# Altium PCB SPG300 Rev05.PcbDoc (part 3 of 8)
Units mm, origin at the board's own origin, x right, y up, seen from the top; angles counter-clockwise.
Board outline 176 x 152 mm, 6 copper layers (Top Layer, GND, Layer 1, Layer 2, PWR, Bottom Layer), stack 1.924 mm thick; 738 components, 393 nets, 2440 pads, 974 vias.
Unrouted connection lines stored in the file: 395.
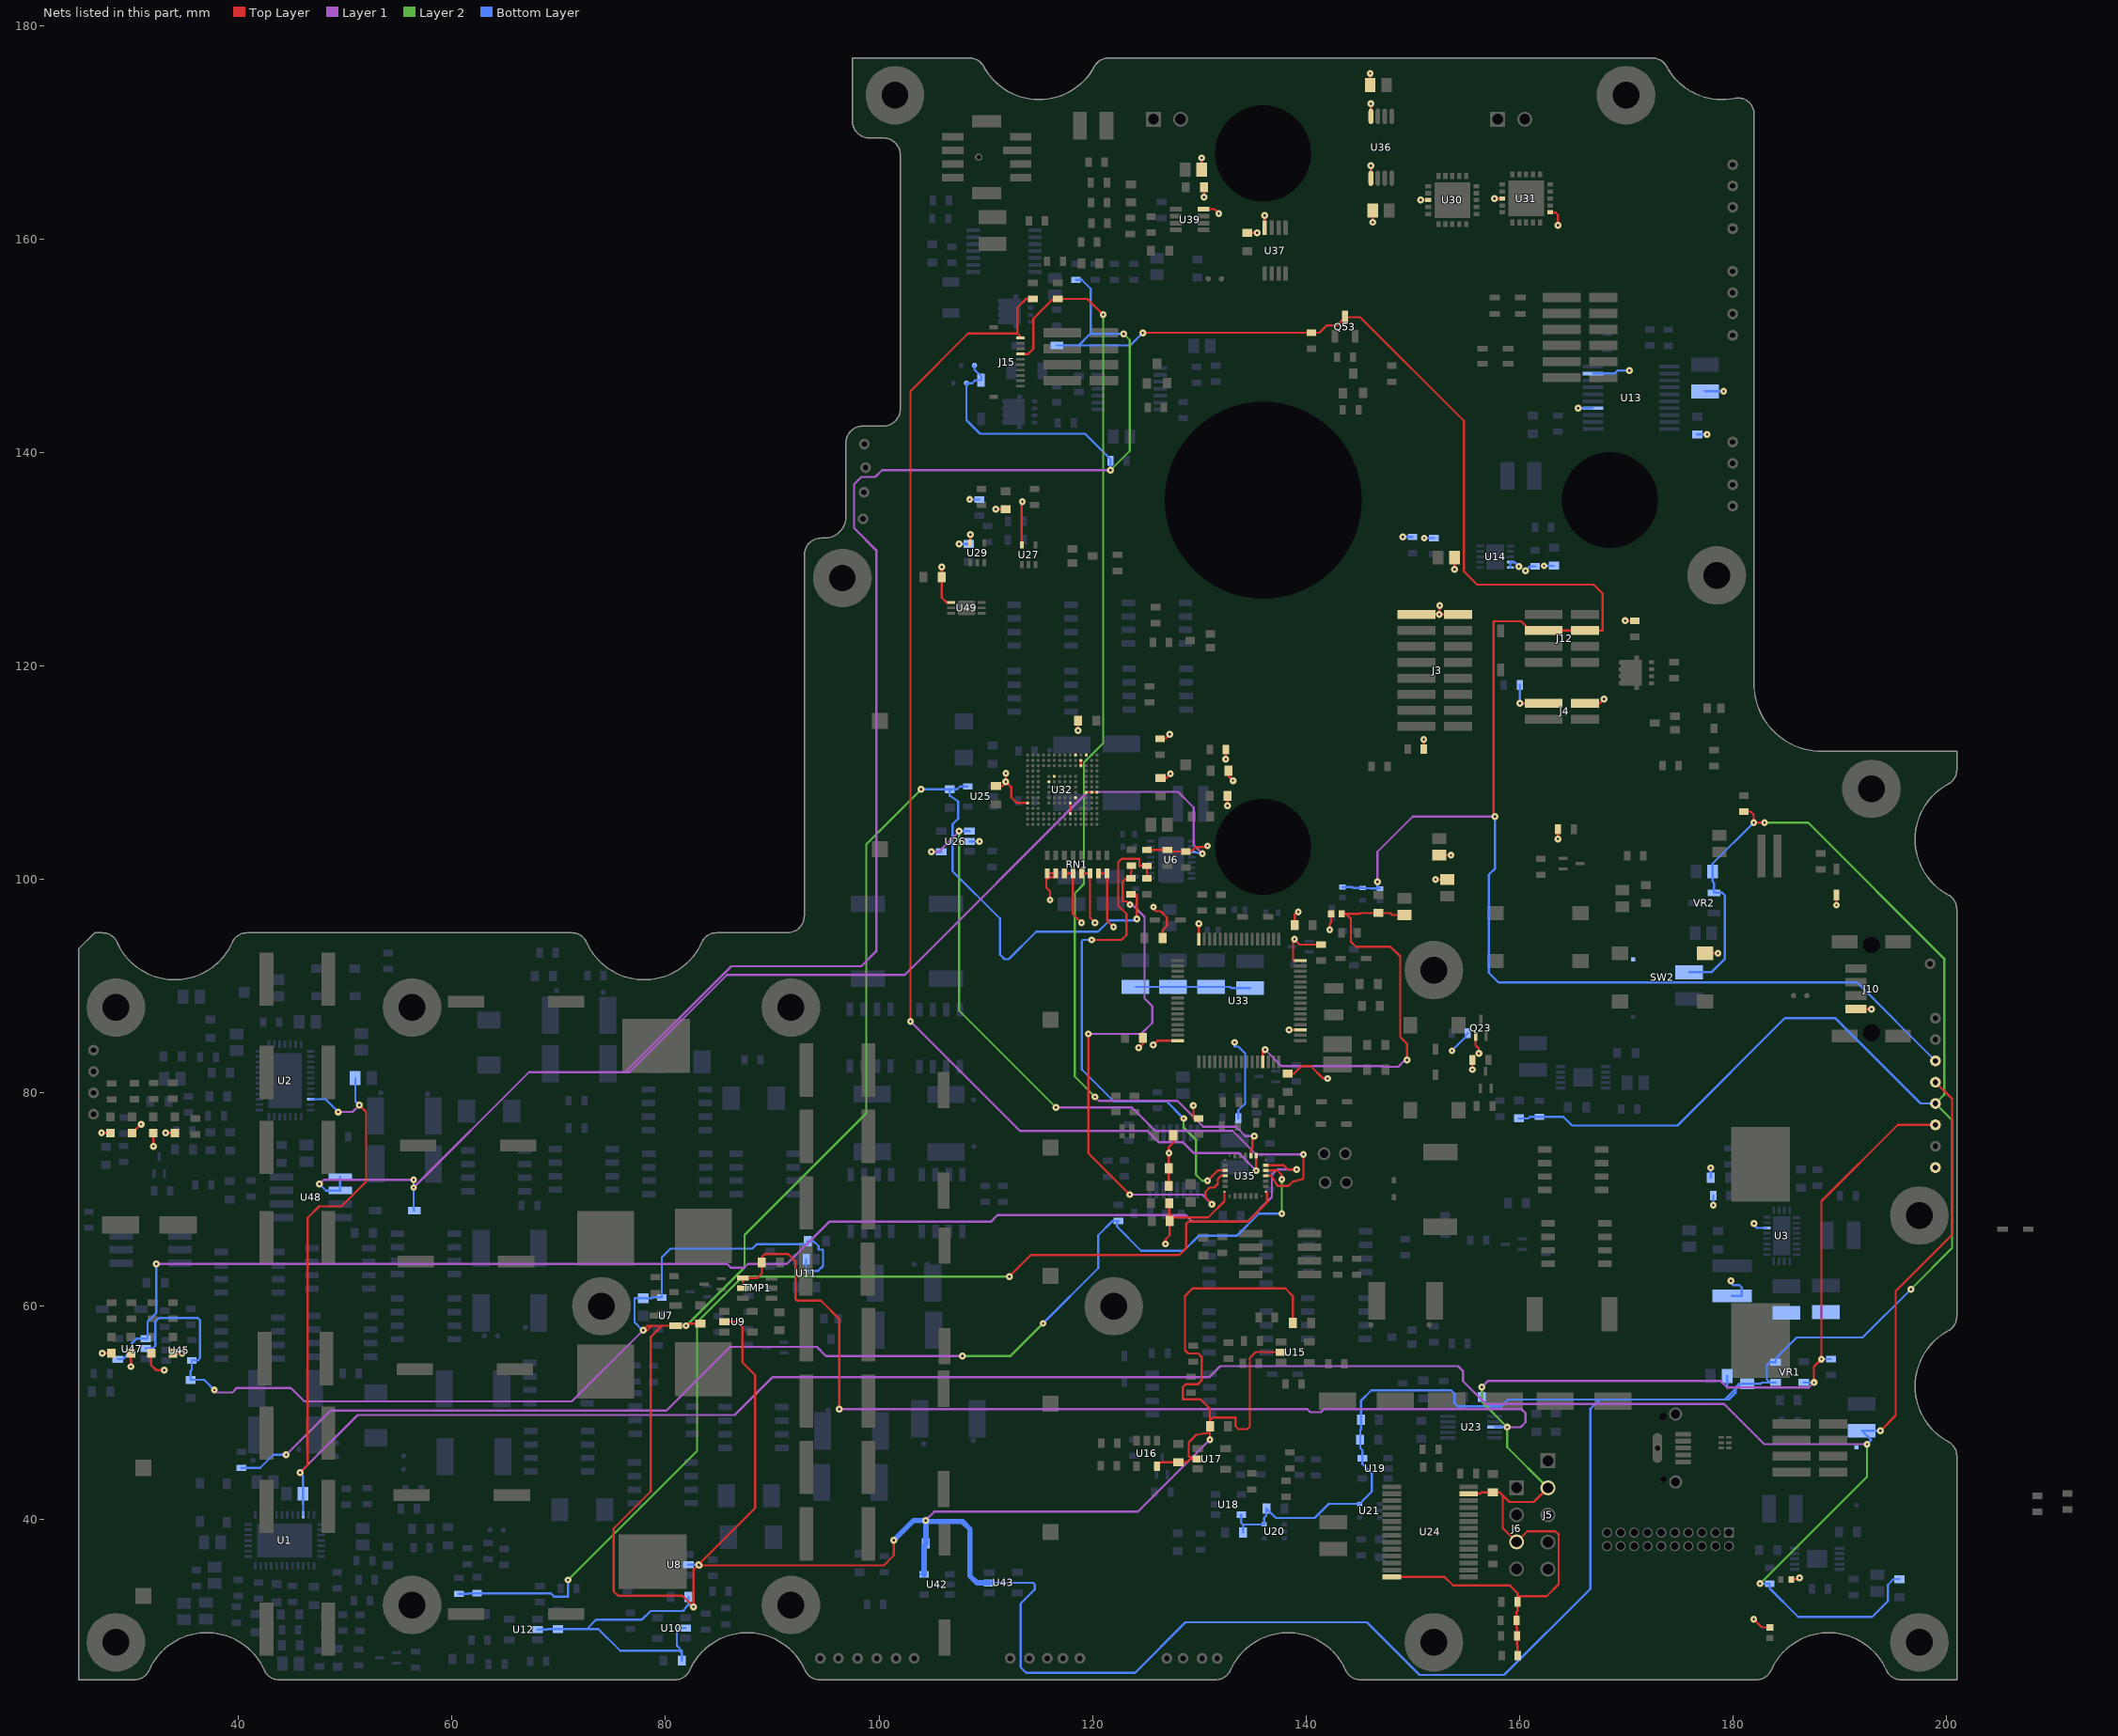
[diagram p7: the nets of this part, all layers, seen from the top]

## Footprints (in the part's own frame and the unit in brackets; to place one, negate y for a bottom-side part, rotate by r counter-clockwise, add the part's x,y. Pads: shape width x height; smd on the part's side, far side on the other; paste and mask are expansions set on the pad) (continued)
"Test Point 1mm"#13 [mil]
  round 40 hole 20 mask+1.97: 1(-614.17,799.19)
"Test Point 1mm"#14 [mil]
  round 40 hole 20 mask+1.97: 1(-3.92,7.85)
"Test Point 1mm"#15 [mil]
  round 40 hole 20 mask+1.97: 1(-62.99,0)
"Test Point 1mm"#16 [mil]
  round 40 hole 20 mask+1.97: 1(-157.47,0)
"Test Point 1mm"#17 [mil]
  round 40 hole 20 mask+1.97: 1(-11.8,0)
"Test Point 1mm"#18 [mil]
  round 40 hole 20 mask+1.97: 1(10.04,-10.29)
"Test Point 1mm"#19 [mil]
  round 40 hole 20 mask+1.97: 1(-456.69,657.46)
"Test Point 1mm"#20 [mil]
  round 40 hole 20 mask+1.97: 1(0,-6.45)
"Test Point 1mm"#21 [mil]
  round 40 hole 20 mask+1.97: 1(-27.55,15.71)
"Test Point 1mm"#22 [mil]
  round 40 hole 20 mask+1.97: 1(27.56,0)
"Test Point 1mm"#23 [mil]
  round 40 hole 20 mask+1.97: 1(41.33,-5.15)
"Test Point 1mm"#24 [mil]
  round 40 hole 20 mask+1.97: 1(41.39,-5.15)
TFSSOP-10 [mm] "TI VSSOP10"
  rect 1.45x0.3 smd mask+0.05: 1(-2.2,1) 2(-2.2,0.5) 3(-2.2,0) 4(-2.2,-0.5) 5(-2.2,-1) 6(2.2,-1) 7(2.2,-0.5) 8(2.2,0) 9(2.2,0.5) 10(2.2,1)
  silkscreen extent -1.3,-1.6 1.3,1.7, body extent -1.5,-1.5 1.5,1.5, height 1.1
TSSOP-8 [mm] "TSSOP-8  3..7 X 3.8 X 1.1 e=0.65"
  oval 1.45x0.45 smd: 1(-2.9,0.975) 2(-2.9,0.325) 3(-2.9,-0.325) 4(-2.9,-0.975) 5(2.9,-0.975) 6(2.9,-0.325) 7(2.9,0.325) 8(2.9,0.975)
  silkscreen extent -3.2,-1.5 1.8,2, body extent -1.85,-1.5 1.85,1.5, height 1.1
TSSOP-14 [mm] "14 Pin TSSOP 0.65mm Pitch height = 1.2mm"
  rect 1.26x0.36 smd: 1(-2.9,1.95) 2(-2.9,1.3) 3(-2.9,0.65) 4(-2.9,0) 5(-2.9,-0.65) 6(-2.9,-1.3) 7(-2.9,-1.95) 8(2.9,-1.95) 9(2.9,-1.3) 10(2.9,-0.65) 11(2.9,0) 12(2.9,0.65) 13(2.9,1.3) 14(2.9,1.95)
  silkscreen extent -2.15,-2.5 1.95,2.82, body extent -2.25,-2.5 2.25,2.5, height 1.42
"UFQFPN28 - ST Micro" [mm] "UFQFPN28 Body 5x5mm (max), Pitch 0.5mm, S0T Micro Package"
  rect 0.2x0.2 smd mask+0.05: 1(-1.9,1.5) 7(-1.975,-1.5) 14(1.5,-1.9) 15(1.9,-1.5) 21(1.9,1.5) 22(1.5,1.9) 28(-1.5,1.9)
  rect 0.5x0.3 smd mask+0.05: 2(-1.9,1) 3(-1.9,0.5) 4(-1.9,0) 5(-1.9,-0.5) 6(-1.9,-1) 16(1.9,-1) 17(1.9,-0.5) 18(1.9,0) 19(1.9,0.5) 20(1.9,1)
  rect 0.2x0.3 smd mask+0: 8(-1.5,-1.925)
  rect 0.3x0.5 smd mask+0.05: 9(-1,-1.9) 10(-0.5,-1.9) 11(0,-1.9) 12(0.5,-1.9) 13(1,-1.9) 23(1,1.9) 24(0.5,1.9) 25(0,1.9) 26(-0.5,1.9) 27(-1,1.9)
  Top Layer region: -1.675,2.15 -1.675,1.775 -1.55,1.65 -1.375,1.65 -1.375,2.15
  Top Layer region: 1.35,2.15 1.35,1.65 1.55,1.65 1.65,1.75 1.65,2.15
  Top Layer region: 2.15,1.35 1.65,1.35 1.65,1.55 1.75,1.65 2.15,1.65
  Top Layer region: 2.15,-1.65 2.15,-1.35 1.65,-1.35 1.65,-1.55 1.75,-1.65
  Top Layer region: 1.35,-2.15 1.65,-2.15 1.65,-1.75 1.55,-1.65 1.35,-1.65
  Top Layer region: -2.15,1.65 -2.15,1.35 -1.65,1.35 -1.65,1.525 -1.775,1.65
  Top Layer region: -2.15,-1.35 -1.65,-1.35 -1.65,-1.55 -1.75,-1.65 -2.15,-1.65
  Top Layer region: -1.35,-1.65 -1.35,-2.15 -1.65,-2.15 -1.65,-1.75 -1.55,-1.65
  silkscreen extent -2.62,-2.22 2.25,2.47, body extent -2,-2 2,2, height 0.6
"uMAX 8" [mm] "MAX uMax 8 3.0 x 3.0 Max 90-0092 Pitch 0.65 Height 1.1mm"
  rect 1.35x0.4 smd mask+0.065: 1(-2.15,0.975) 2(-2.15,0.325) 3(-2.15,-0.325) 4(-2.15,-0.975) 5(2.15,-0.975) 6(2.15,-0.325) 7(2.15,0.325) 8(2.15,0.975)
  silkscreen extent -2.42,-1.5 1.3,2.32, body extent -1.5,-1.5 1.5,1.5, height 1.1
WE-2212 [mm]
  rect 5.5x7 smd: 1(0,8.25) 2(0,-8.25)
  silkscreen extent -11.5,-12.5 11.5,12.5, body extent -11,-11.25 11,11.25, height 11.8

## Part data
1 2 3 4 5 BBFBK1 BBIN1 BBOUT1 BOXFAN1 BSCL1 BSCL2 BSDA1 BSDA2 CARTSW CLK1 DS1 FBIN1 FBOUT1 FCENB1 FCSHORT1 HTR_PWM1 HTR_PWM2 HTR_WDOG1 I2 I3 ICHRGLIM1 INLET_VALVE1 MIADJ1 OUTLET_VALVE1 PMON_P1 PWM1 PWM2 REF_1 RXD1 SIADJ1 SMB_INT_SCL1 SMB_INT_SDA1 STKFAN1 TEMPLIM1 TXD1 VB1 VB2 VBAT1 VBAT2 VBAT3 VTEMP1: library part TEST_POINT
BAT1: "Generic Single Cell Battery", Supplier Part Number 1=SY103-ND, Note=Hand-Solder, Supplier 1=Digi-Key
C1 C2 C3 C4 C8 C9 C10 C11 C37 C38 C39 C40 C41 C42 C43 C44: Package=2220, Supplier Part Number 1=445-7932-1-ND, Tolerance=10%, Voltage=50V, Supplier 1=Digi-Key, Type=X7R
C5 C6 C7 C12 C13 C32 C33 C34 C35 C36: "Aluminum Electroytic 10 x 10 x 10mm", Supplier Part Number 1=598-107SML050M, Tolerance=20%, Voltage=50V, Supplier 1=Mouser
C14 C16: "SMD 0805 (2012 Metric)", Package=0805, Supplier Part Number 1=587-1287-1-ND, Voltage=50V, Supplier 1=Digi-Key
C15 C17 C45 C48 C141 C186 C193: "SMD 0603 (1608 Metric)", Package=0603, Supplier Part Number 1=1608-1359-1-ND, Tolerance=10%, Voltage=50V, Supplier 1=Digi-Key
C18 C21 C22 C49 C52 C53 C66 C69 C77: "SMD 0603 (1608 Metric)", Package=0603, Supplier Part Number 1=399-17562-1-ND, Tolerance=10%, Voltage=50V, Supplier 1=Digi-Key
C19 C50 C63 C64 C76 C101 C102 C109 C113 C115 C117 C118 C119 C120 C121 C122 C123 C124 C125 C126 C131 C136 C137 C139 C140 C142 C143 C146 C149 C150 C151 C152 C153 C154 C155 C156 C157 C158 C159 C160 C161 C162 C168 C172 C173 C174 C175 C185 C189 C191: "SMD 0603 (1608 Metric)", Package=0603, Supplier Part Number 1=1276-1000-1-ND, Supplier 1=Digi-Key
C20 C51: "SMD 0805 (2012 Metric(", Package=0805, Supplier Part Number 1=1276-6470-1-ND, Voltage=50V, Supplier 1=Digi-Key
C23 C24 C25 C27 C54 C55 C56 C57 C99: "SMD 0805 (2012 Metric(", Package=0805, Supplier Part Number 1=587-2394-1-ND, Tolerance=10%, Voltage=16V, Supplier 1=Digi-Key
C26 C28 C58 C59 C67 C127 C181 C190 C192: "SMD 0603 (1608 Metric)", Package=0603, Supplier Part Number 1=1276-1921-1-ND, Voltage=50V, Supplier 1=Digi-Key
C29 C60 C72 C79 C80 C83 C84 C85 C110 C112 C144 C145 C147 C148 C163 C169 C177 C178 C182 C183 C188: "SMD 0805 (2012 Metric(", Package=0805, Supplier Part Number 1=490-8043-1-ND, Tolerance=10%, Voltage=16V, Supplier 1=Digi-Key
C30 C61: "SMD 0603 (1608 Metric)", Package=0603, Supplier Part Number 1=1276-1277-1-ND, Voltage=50V, Supplier 1=Digi-Key
C31 C62: "SMD 0603 (1608 Metric)", Package=0603, Supplier Part Number 1=1276-1145-1-ND, Supplier 1=Digi-Key
C46 C47: "SMD 0805 (2012 Metric(", Package=0805, Supplier Part Number 1=587-1287-1-ND, Voltage=50V, Supplier 1=Digi-Key
C65 C73 C81 C96 C97: "CAP CER 4.7UF 50V X7R 1210", Manufaturer 1=Murata, Package=1210, Manufacturere 1 Part Number=GCM32ER71H475KA55L, Valute=4.7UF, WVDC=50V
C68 C70 C74 C78 C114 C116: "CAP CER 22UF 16V X7R 1210", Manufacturere 1=Murata, Package=1210, Manufacturere 1 Part Number=GCM32ER71C226ME19K
C71: "CAP CER 1UF 16V X7R 0805", Manufacturer1=Murata, Package=0805, Manufacturer 1 Part Number=GCM219R71C105KA37D, WVDC=16V
C75 C82 C100 C103 C104 C105 C106 C107 C195: "SMD 0603 (1608 Metric)", Package=0603
C86 C132 C133 C134 C135 C179 C184: "SMD 0603 (1608 Metric)", Package=0603, Supplier Part Number 1=478-7926-1-ND, Voltage=50V, Supplier 1=Digi-Key
C87 C88 C89 C90 C91 C98: "SMD 0402 (1005 Metric)", Package=0402
C92 C93 C94 C95: "CAP CER 10UF 16V X7R 1210", Package=1210, Manafacturer 1="Taiyo Yuden", Manufacturer 1 Part Number=EMK325B7106MNHTR, WVDC=16VDC
C108: "SMD 0603 (1608 Metric)", Package=0603, Supplier Part Number 1=587-3247-1-ND, Voltage=50V, Supplier 1=Digi-Key
C111: "SMD 0603 (1608 Metric)", Package=0603, Supplier Part Number 1=P249KDBCT-ND, Note=DNI, Supplier 1=Digi-Key
C128 C129 C130 C194: "Aluminum Electrolytic Case D8 - 6.3 x 7.7", Supplier Part Number 1=667-EEE-FTH101XAP, Tolerance=20%, Voltage=50V, Supplier 1=Mouser
C138 C176 C180: "SMD 1210 (3225 Metric)", Package=1210, Supplier Part Number 1=963-EMK325B7106MNHTR, Tolerance=20%, Voltage=16V, Supplier 1=Mouser
C164 C165: "SMD 0603 (1608 Metric)", Package=0603, Supplier Part Number 1=478-10287-1-ND, Supplier 1=Digi-Key
C166 C167: "SMD 0603 (1608 Metric)", Package=0603, Supplier Part Number 1=478-6204-1-ND, Voltage=50V, Supplier 1=Digi-Key
C170 C171: "SMD 0805 (2012 Metric(", Package=0805, Supplier Part Number 1=587-4320-1-ND, Voltage=16V, Supplier 1=Digi-Key
C187: "CAP CER 47UF 6.3V X7R 1210", Manufacurer 1=Murata, Package=1210, Manufacturer 1 Part Number=GC32ER70J476KE01L, WVDC=6.3VDC
D1 D2 D3 D4 D7 D8 D9 D10: "Diode DO214AA (SMB)", Case=SMB, Supplier Part Number 1=SS24FSCT-ND, Supplier 1=Digi-Key
D5 D6 D11 D12 D32 D33: "SYM-Schottky Diode", Case=SOD-123H, Supplier Part Number 1=FSV360FPCT-ND, Supplier 1=Digi-Key
D13 D14 D16: "SYM - Diode, Schottky Dual Common Cathode", Case-EIA=SOT-323, Supplier Part Number 1=BAT54CWT1GOSCT-ND, Supplier 1=Digi-Key, Technology=SMT
D15 D18: "SYM-Zener Diode", Supplier Part Number 1=1727-5145-1-ND, Supplier 1=Digi-Key
D17: "SYM-Schottky Diode", Supplier Part Number 1=1N4148XTPMSCT-ND, Supplier 1=Digi-Key
D19 D20 D31: "SYM-Schottky Diode", Case=SMC, Supplier Part Number 1=B540CQ-13-FDITR-ND, Supplier 1=Digi-Key
D21: "SYM-Schottky Diode", Case="DO214AC SMA", Supplier Part Number 1=641-1015-1-ND, Supplier 1=Digi-Key
D22: "SYM-Schottky Diode", Supplier Part Number 1=BAT54WS-FDICT-ND, Supplier 1=Digi-Key
D23 D24 D25 D26 D27 D34 D35 D36 D37 D38 D39: "SYM-Zener Diode", Package=SOD-323, Supplier Part Number 1=UCLAMP3301DCT-ND, Supplier 1=Digi-Key
D28 D29 D30: "SYM-Schottky Diode", Case=SOD-123, Supplier Part Number 1=MBR130T3GOSCT-ND, Supplier 1=Digi-Key
FB1 FB2: Supplier Part Number 1=587-1841-1-ND, Supplier 1=Digi-Key
FC+1 FC-1 HTR+1 HTR-1 VB3 VB4 VB-1 VOUT+1 VOUT-1: "Wurth Power Connector 7466003", Manuf=Wurth, Part No=7466003, Supplier Part Number 1=732-5240-ND, Supplier 1=Digi-Key
I1: "Inductor", Manuf=MDWK040t4R7MM, Supplier Part Number 1=587-4451-1-ND, Rule=Undefined, Supplier 1=Digi-Key, Technology=SMT
J1 J14: "Conn 2x1 Pos", Supplier Part Number 1=SAM9159-ND, Supplier 1=Digi-Key
J2: "Molex Pico-Spox 6 Pos 1.5mm", Manuf=Molex
J3: "Molex Pico-Spox Vert 8 Pos 1.5mm", Manuf=Molex
J4: "Molex Pico-Spox 2 Pos 1.5mm", Manuf=Molex, Part No=0874370273, Parameter 1=Digi-Key, Parameter 2=WM7135CT-ND
J5: "Conn 5 x 1", Manufacturer=Samtec, Manufacturer Part Number=HTSW-105-07-L-S, Supplier Part Number 1=SAM11370-ND, Supplier 1=Digi-Key
J6: "Conn 4x1 Pos", Manufacturer=Samtec, Manufacturer Part Number=TSW-104-07-F-S, Supplier 1 Part Number=SAM8997-ND, Supplier 1=Digikey
J7 J8: "Conn 2x1 Pos", Manufacturer 1="TE Connectivity", Manufacturer 1 Part Number=1546215-2, Supplier Part Number 1=A121350-ND, Note="thermocouple socket", Supplier 1=Digi-Key
J9: "USB Micro B Verticle SMD", Manif=GCT
J10: "Conn 4x1 Pos", Supplier Part Number 1=305-284697, Name=ERNI, Supplier 1=Mouser
J11: "CnC Tech 20 Pin Verticle 1.27mm Pitch TH Hdr"
J12 J13 J16: "Molex Pico-Spox 4 Pos 1.5mm", Manuf=Molex
J15: "Conn 10 Pos", Supplier Part Number 1=OR717CT-ND, Name=Omron, Supplier 1=Digi-Key
L1 L2: "Wurth 15UH 30A Inductor", Manuf=Wurth, Part No.=7443641500
L3 L4: "INDUCTOR COILCRAFT 6132", Package="MSS 6132", Supplier Part Number 1=994-MSS6132T-223MLC, Supplier 1=Mouser
L5: "Coilcraft XEL4030", Package=XEL4030, Supplier Part Number 1=994-XEL4030-682MEB, Supplier 1=Mouser
L6: "Wurth 74435584700 47uH 5A", Manuf=Wurth, Part No.=74435584700
LED1 LED2 LED3 LED4 LED5 LED6 LED7 LED8: "Generic Single LED", Supplier Part Number 1=511-1580-1-ND, Supplier 1=Digi-Key
LED9: "Generic Dual LED", Supplier Part Number 1=846-1185-1-ND, Supplier 1=Digi-Key
NT1 NT2 NT3 NT4 NT5 NT6 NT7 NT8 NT9 NT10 NT11 NT12 NT13 NT14 NT15 NT16 NT17 NT18 NT19 NT20 NT21 NT22 NT23 NT24 NT25 NT26 NT27: library part NET_TIE, "Tie 2 nets together - 0.2032mm", Rule="Component Clearance Constraint [Horizontal Clearance = 0mm    Vertical Clearance = 0mm]"
Q1 Q2 Q3 Q4 Q5 Q6 Q7 Q8 Q9 Q10 Q28 Q29: library part MOSFET-N8, "SYM - Mosfet N-Ch 8 Lead", Current=46A, Supplier Part Number 1=NTMFS5H400NLT1GOSCT-ND, Voltage=40V, Supplier 1=Digi-Key
Q11 Q15 Q16 Q21 Q22 Q23 Q25 Q26 Q46: library part MOSFET-N3, "SYM - Mosfet N-Ch 3 Lead", Package=SOT-523, Supplier Part Number 1=2N7002T-FDICT-ND, Voltage=60V, Supplier 1=Digi-Key
Q12: "SYM-Generic PNP Transistor", Current=0.2A, Supplier Part Number 1=MMBT3906T-FDICT-ND, Voltage=40V, Name=MMBT3906, Supplier 1=Digi-Key
Q13 Q14: "SYM-Generic NPN Transistor", Supplier Part Number 1=MMBT3904T-FDICT-ND, Supplier 1=Digi-Key
Q17 Q18 Q19 Q20 Q24 Q30 Q31 Q32 Q33 Q42 Q43 Q44 Q45: library part MOSFET-P8, "SYM - Mosfet P-Ch 8 Lead", Supplier Part Number 1=FDWS9509L-F085OSCT-ND, Voltage=40V, Rds="8 mOhm", Supplier 1=Digi-Key
Q27 Q41: "MOSFET N-CH IR", Package=SOT23-3, Supplier Part Number 1=IRLML2502TRPBFCT-ND, Supplier 1=Digi-Key
Q34 Q35: library part MOSFET-N3, "SYM - Mosfet N-Ch 3 Lead", Current=300mA, Package=SOT-323, Supplier Part Number 1=DMN5L06WKDICT-ND, Voltage=50V, Supplier 1=Digi-Key
Q36 Q39 Q40: library part MOSFET-N8, "SYM - Mosfet N-Ch 8 Lead", Current=20A, Package=Power33, Supplier Part Number 1=FDMC7660CT-ND, Voltage=30V, Rds=2.2mOhm, Supplier 1=Digi-Key
Q37 Q38: library part MOSFET-N3, "SYM - Mosfet N-Ch 3 Lead", Current=115mA, Package=SOT-523, Supplier Part Number 1=BSS123WQ-7-FDICT-ND, Voltage=60V, Supplier 1=Digi-Key
Q47 Q48 Q49 Q50: library part MOSFET-N8, "SYM - Mosfet N-Ch 8 Lead", Current=49A, Package=SO8FL, Supplier Part Number 1=NVMFS5C404NLWFT1GOSCT-ND, Voltage=40V, Rds=0.75mOhm, Supplier 1=Digi-Key
Q51 Q52: library part MOSFET-N8, "SYM - Mosfet N-Ch 8 Lead", Current=90A, Supplier Part Number 1=497-15913-1-ND, Voltage=60V, Supplier 1=Digi-Key
Q53: "MOSFET P-CH 3 Lead", Manufacturer 1="On Semi", Manufacturer 1 Footprint="SOT 23-2"
R1 R3 R34 R39: Package=2512, Power=1W, Supplier Part Number 1=P6.0MCT-ND, Tolerance=1%, Supplier 1=Digi-Key
R2 R4 R35 R36: Package=2512, Power=1W, Supplier Part Number 1=P8.0MCT-ND, Tolerance=1%, Supplier 1=Digi-Key
R5 R6 R7 R8 R11 R19 R37 R38 R40 R41 R42 R49: Package=0603, Power=0.1W, Supplier Part Number 1=P2.2AJCT-ND, Tolerance=1%, Supplier 1=Digi-Key
R9 R10 R43 R44: Package=2512, Power=1W, Supplier Part Number 1=YAG2147CT-ND, Supplier 1=Digi-Key
R12 R14 R45 R46: Package=0603, Power=0.25W, Supplier Part Number 1=RHM10.0ADCT-ND, Tolerance=1%, Supplier 1=Digi-Key
R13 R242 R263: Package=0603, Power=0.1W, Supplier Part Number 1=P90.9KDBCT-ND, Tolerance=0.1%, Supplier 1=Digi-Key
R15: Manufacturer Part Number=ERA-3AEB103V, Package=0603, Power=0.1W, Supplier Part Number 1=P10KDBCT-ND, Tolerance=0.1%, Supplier 1=Digi-Key
R16 R47: Package=0603, Power=0.1W, Supplier Part Number 1=311-8.66KHRTR-ND, Tolerance=1%, Supplier 1=Digi-Key
R17: Supplier Part Number 1=P267KDBCT-ND, Tolerance=0.1%, Supplier 1=Digi-Key
R18 R48: Package=0603, Power=1/8W, Supplier Part Number 1=RNCP0603FTD4R70CT-ND, Tolerance=1%, Supplier 1=Digi-Key
R20 R84 R88 R89 R111 R155 R156 R159 R160 R161 R209 R218 R234 R273 R274: Package=0603, Power=1/10W, Supplier Part Number 1=CR0603-FX-4991ELFCT-ND, Tolerance=1%, Supplier 1=Digi-Key
R21 R26 R27 R28 R31 R50 R52 R53 R54 R55 R162 R171 R172 R184 R197 R205 R214 R223 R232: Package=0603, Power="1/4 W", Supplier Part Number 1=RHM1.00KADCT-ND, Tolerance=1%, Supplier 1=Digi-Key
R22 R51 R66 R70 R109 R114 R115 R121 R129 R227 R250 R272: Package=0603, Power=0.1W, Supplier Part Number 1=RMCF0603FT100KCT-ND, Tolerance=1%, Supplier 1=Digi-Key
R23 R134 R136 R139 R245 R266: Package=0603, Power=0.1W, Supplier Part Number 1=P10KDBCT-ND, Tolerance=0.1%, Supplier 1=Digi-Key
R24: Package=0603, Power=0.1W, Supplier Part Number 1=311-3.48KHRCT-ND, Tolerance=1%, Supplier 1=Digi-Key
R25 R57: Package=0603, Supplier Part Number 1=311-365KHRCT-ND, Supplier 1=Digi-Key
R29 R56: Package=0603, Power=0.1W, Supplier Part Number 1=311-14.3KHRCT-ND, Tolerance=1%, Supplier 1=Digi-Key
R30 R253: Package=0603, Power=0.25W, Supplier Part Number 1=HCJ0603ZT0R00CT-ND, Supplier 1=Digi-Key
R32 R58 R200: Package=0603, Power=0.1W, Supplier Part Number 1=311-15.0KHRCT-ND, Tolerance=1%, Supplier 1=Digi-Key
R33 R59 R186: Package=0603, Supplier Part Number 1=311-20.0KHRCT-ND, Supplier 1=Digi-Key
R60 R112 R113 R178: Package=0603, Power=0.1W, Supplier Part Number 1=P499KHCT-ND, Tolerance=1%, Supplier 1=Digi-Key
R61 R62 R67 R179 R219: Package=0603, Power=0.1W, Supplier Part Number 1=311-1.00MHRCT-ND, Tolerance=1%, Supplier 1=Digi-Key
R63: Package=0603, Power=0.1W, Supplier Part Number 1=311-412KHRCT-ND, Tolerance=1%, Supplier 1=Digi-Key
R64: Package=0603, Power=0.1W, Supplier Part Number 1=311-60.4KHRCT-ND, Tolerance=1%, Supplier 1=Digi-Key
R65: Package=0603, Power=0.1W, Supplier Part Number 1=RMCF0603FT115KCT-ND, Tolerance=1%, Supplier 1=Digi-Key
R68 R87 R96 R101 R110 R120 R122 R130 R163 R164 R165 R166 R176 R177 R181 R185 R187 R198 R199 R213 R231 R235 R236 R249 R254 R264 R265 R271: Package=0603, Power="1/8 W", Supplier Part Number 1=RNCP0603FTD10K0CT-ND, Tolerance=1%, Supplier 1=Digi-Key
R69 R212 R228: Package=0603, Power=0.1W, Supplier Part Number 1=RMCF0603FT182KCT-ND, Tolerance=1%, Supplier 1=Digi-Key
R71: Package=0603, Power=0.1W, Supplier Part Number 1=RMCF0603FT19K1CT-ND, Tolerance=1%, Supplier 1=Digi-Key
R72 R73 R74 R75 R76 R77 R224: Package=0402
R78 R79 R80 R81 R83 R85 R86 R90 R91 R92 R93 R94 R95 R97 R98 R99 R100 R102 R103 R105 R106 R194 R196 R203 R221 R244 R248 R252 R267 R268 R269 R270: Package=0603
R82: Package=0603, Power=0.1W, Supplier Part Number 1=RMCF0603FT13K7CT-ND, Tolerance=1%, Supplier 1=Digi-Key
R104: Package=0603, Power=0.1W, Supplier Part Number 1=RMCF0603FT620RCT-ND, Tolerance=1%, Supplier 1=Digi-Key
R107 R108: Manufacturer Part Number=RNCP0603FTD10K0, Package=0603, Power="1/8 W", Supplier Part Number 1=RNCP0603FTD10K0CT-ND, Tolerance=1%, Supplier 1=Digi-Key
R116: Package=0603, Power=0.1W, Supplier Part Number 1=311-470HRCT-ND, Tolerance=1%, Supplier 1=Digi-Key
R117: Package=0603, Power="1/4 W", Supplier Part Number 1=RNCP0603FTD10K0CT-ND, Tolerance=1%, Supplier 1=Digi-Key
R118: Package=0603, Power=0.1W, Supplier Part Number 1=RMCF0603FT332KCT-ND, Tolerance=1%, Supplier 1=Digi-Key
R119: Package=0603, Power="1/8 W", Supplier Part Number 1=RHM1.00KADCT-ND, Tolerance=1%, Supplier 1=Digi-Key
R123: Package=0603, Power=0.1W, Supplier Part Number 1=311-1.00KHRTR-ND, Tolerance=1%, Supplier 1=Digi-Key
R124 R125 R127 R128 R189 R190: Package=0603, Power=0.1W, Supplier Part Number 1=311-2.20KHRCT-ND, Supplier 1=Digi-Key
R126: Package=0603, Power=0.1W, Supplier Part Number 1=RMCF0603FT16K9CT-ND, Tolerance=1%, Supplier 1=Digi-Key
R131: Package=0603, Power=0.1W, Supplier Part Number 1=311-976KHRCT-ND, Tolerance=1%, Supplier 1=Digi-Key
R132: Package=0603, Power=0.1W, Supplier Part Number 1=311-102KHRCT-ND, Tolerance=1%, Supplier 1=Digi-Key
R133 R137 R158 R247: Package=0603, Power=0.1W, Supplier Part Number 1=P1.0KDBCT-ND, Tolerance=0.1%, Supplier 1=Digi-Key
R135: Package=0603, Power=0.1W, Supplier Part Number 1=P324DBCT-ND, Tolerance=0.1%, Supplier 1=Digi-Key
R138: Package=0603, Power=1/16W, Supplier Part Number 1=P976DBCT-ND, Tolerance=0.1%, Supplier 1=Digi-Key
R140: Package=0603, Supplier Part Number 1=P806DBCT-ND, Tolerance=0.1%, Supplier 1=Digi-Key
R141 R154: Package=2512, Supplier Part Number 1=P5.0MCT-ND, Tolerance=1%, Supplier 1=Digi-Key
R142 R143 R149 R150 R151 R152 R157 R169 R170 R237 R238 R260 R261: Package=0603, Power=0.15W, Supplier Part Number 1=PNM0603-5.0KBCT-ND, Tolerance=0.1%, Supplier 1=Digi-Key
R144: Package=0603, Supplier Part Number 1=P30KDBCT-ND, Tolerance=0.1%, Supplier 1=Digi-Key
R145 R243: Package=0603, Supplier Part Number 1=P249KDBCT-ND, Supplier 1=Digi-Key
R146: Package=0603, Supplier Part Number 1=P28KDBCT-ND, Supplier 1=Digi-Key
R147 R148: Package=0603, Power=1/16W, Supplier Part Number 1=A124752CT-ND, Tolerance=0.1%, Supplier 1=Digi-Key
R153 R259: Package=0603, Power=1W, Supplier Part Number 1=RMCF0603FT2M00CT-ND, Tolerance=1%, Supplier 1=Digi-Key
R167 R168: Package=2512, Part No.=WSLT2512R0100FEA, Power=1W, Supplier Part Number 1=311-.010TCT-ND, Tolerance=1%, Supplier 1=Digi-Key
R173 R174: Package=0603, Supplier Part Number 1=311-1.50KHRCT-ND, Supplier 1=Digi-Key
R175: Package=0603, Power=1/8W, Supplier Part Number 1=749-1628-1-ND, Tolerance=1%, Supplier 1=Digi-Key
R180: Package=0603, Power=0.1W, Supplier Part Number 1=311-523KHRCT-ND, Tolerance=1%, Supplier 1=Digi-Key
R182 R183: Package=0603, Power=0.1W, Supplier Part Number 1=RMCF0603FT249RCT-ND, Tolerance=1%, Supplier 1=Digi-Key
R188 R192 R195: Package=0603, Power=0.1W, Supplier Part Number 1=311-100HRCT-ND, Tolerance=1%, Supplier 1=Digi-Key
R191 R193: Package=0603, Power=0.1W, Supplier Part Number 1=311-2.20KHRCT-ND, Tolerance=1%, Supplier 1=Digi-Key
R201 R202: Package=0603, Power=0.1W, Supplier Part Number 1=311-49.9KHRCT-ND, Tolerance=1%, Supplier 1=Digi-Key
R204: Package=0603, Supplier Part Number 1=P121KDBCT-ND, Tolerance=0.1%, Supplier 1=Digi-Key
R206 R225: Package=0603, Power=0.1W, Supplier Part Number 1=RMCF0603ZT0R00CT-ND, Supplier 1=Digi-Key
R207 R215 R226: Package=0603, Power=0.1W, Supplier Part Number 1=P499HCT-ND, Tolerance=1%, Supplier 1=Digi-Key
R208: Package=0603, Power=0.1W, Supplier Part Number 1=P7.5KDBCT-ND, Tolerance=0.1%, Supplier 1=Digi-Key
R210 R211 R229 R230: Package=0603, Power=0.1W, Supplier Part Number 1=RMCF0603FT120KCT-ND, Supplier 1=Digi-Key
R216 R251: Package=0603, Power=0.1W, Supplier Part Number 1=RMCF0603FT40K2CT-ND, Tolerance=1%, Supplier 1=Digi-Key
R217 R233: Package=1206, Power=0.25W, Supplier Part Number 1=P1.0RCT-ND, Supplier 1=Digi-Key
R220: Package=0603, Power=0.1W, Supplier Part Number 1=P383DBCT-ND, Tolerance=0.1%, Supplier 1=Digi-Key
R222: Package=0603, Power=0.1W, Supplier Part Number 1=RNCP0603FTD10K0CT-ND, Tolerance=1%, Supplier 1=Digi-Key
R239 R240 R257 R258: Package=2512, Power=1W, Supplier Part Number 1=P4.0MCT-ND, Tolerance=1%, Supplier 1=Digi-Key
R241: Package=0603, Power=0.1W, Supplier Part Number 1=P33KDBCT-ND, Tolerance=0.1%, Supplier 1=Digi-Key
R246: Package=0603, Power=0.1W, Supplier Part Number 1=P61.9KDBCT-ND, Tolerance=0.1%, Supplier 1=Digi-Key
R255 R256: Package=0603, Supplier Part Number 1=311-10.0KHRCT-ND, Supplier 1=Digi-Key
R262: Package=0603, Supplier Part Number 1=P64.9KDBCT-ND, Tolerance=0.1%, Supplier 1=Digi-Key